# KiCad board AMC_FMC_Carrier-PcbDoc.kicad_pcb (continued)
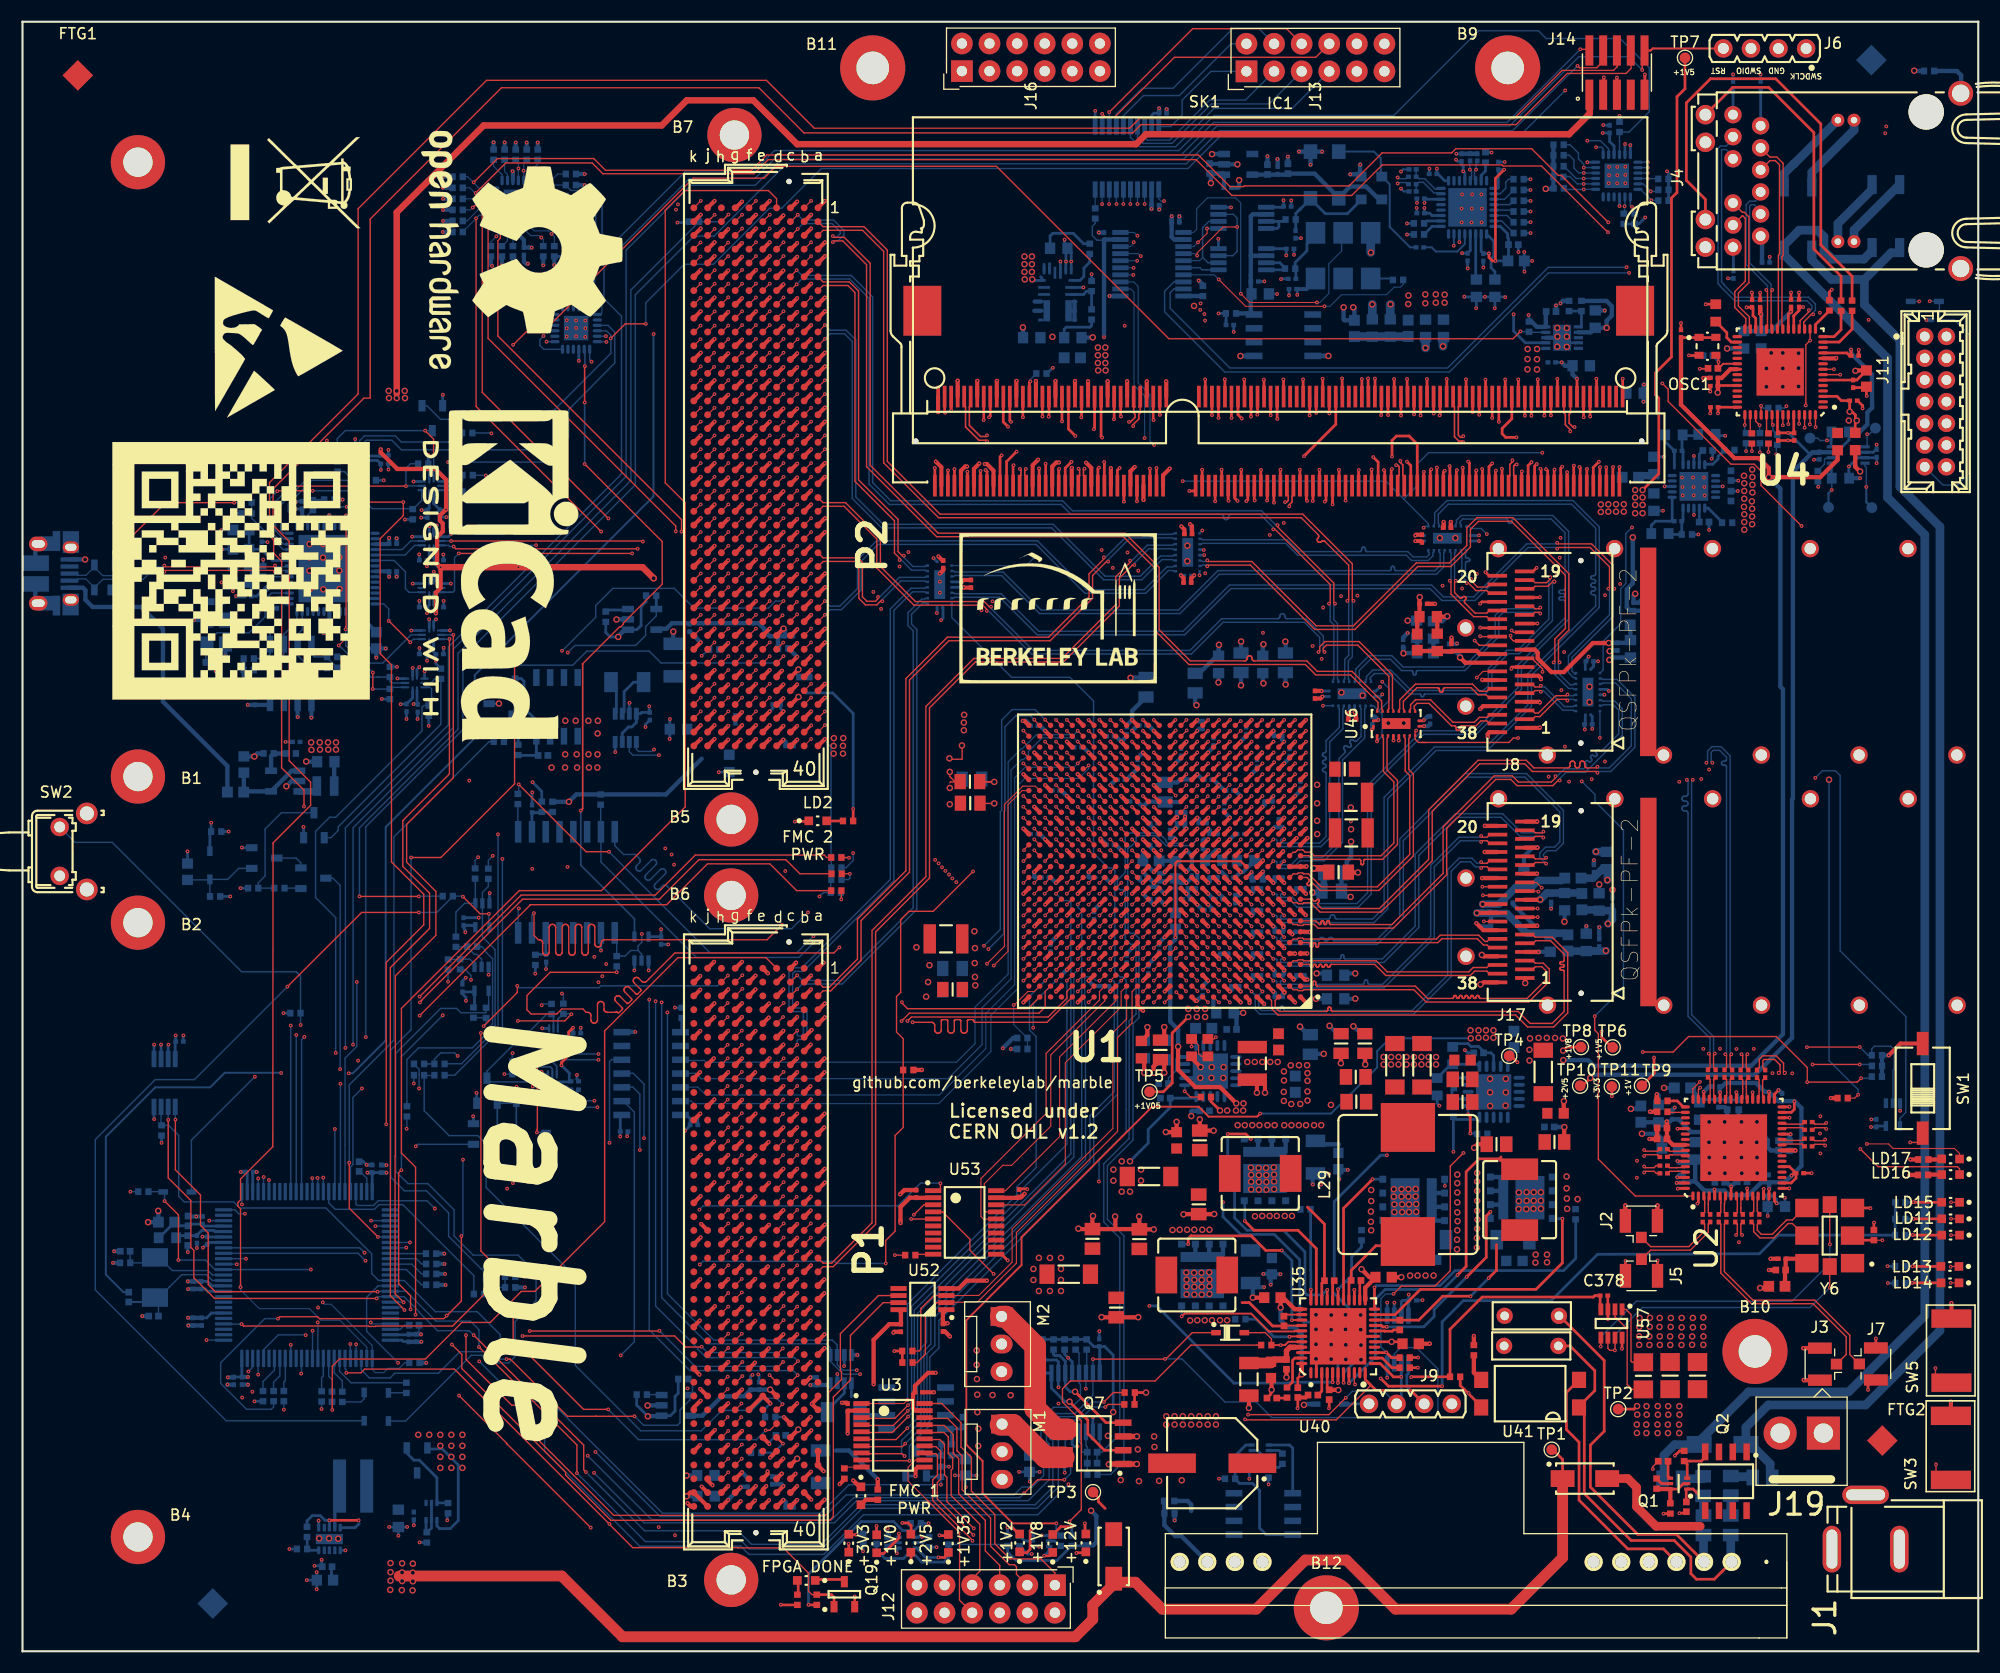
[diagram p0: board, top side]
## Routing (per net, layer and track width the routed paths; a pad name or vN(x,y) marks a point on that pad's centre or on a via; arc(x,y) is an arc through that point) (continued)
/MMC/I2C_PM_SDA: length 161.2
  Top w0.127: 124.08,24.52 124.08,24.47 120.91,21.3 112.58,21.3 v1(112.52,21.35) ; R13.2 99.9,22.72 v1(99.66,22.48) ; v1(32.67,33.1) 17.74,33.1 17.09,33.75 17.09,38.5 16.38,39.21 16.38,42 14.07,44.31 v1(14.07,48.94) ; v1(51.03,16.4) 51.03,18.99 v1(42.01,28.01)
  Top w0.254: J9.3 127.76,24.02 124.57,24.02 123.58,25.01 U35.11
  In2.Cu w0.127: v1(99.66,22.48) 111.39,22.48 v1(112.52,21.35)
  Bottom w0.127: v1(99.66,22.48) 98.5,22.48 97.29,21.28 95.5,21.28 95.34,21.11 U27.15 95.34,15.13 93.37,13.16 77.29,13.16 73.54,9.41 66.9,9.41 66.22,10.1 57.32,10.1 v1(51.03,16.4) ; v1(32.67,33.1) 32.71,33.14 U54.66 35.3,33.14 38.05,30.39 41.22,30.39 42.01,29.61 v1(42.01,28.01) ; v1(14.07,48.94) 14.05,48.95 U28.1
  Bottom w0.254: J9.3 127.41,24.37 127.41,25.43 127.55,25.58 U29.1
/MMC/ISP_RSTn: length 39.7
  In4.Cu w0.127: v1(21.38,52.89) 22.08,53.58 v1(29.23,53.58)
  Bottom w0.127: v1(29.23,53.58) 29.23,70.5 28.57,71.16 Q14.3 ; v1(21.38,52.89) 15.55,47.05 D3.1
/MMC/LED1: length 176.9
  Top w0.102: LD15.1 v1(177.49,41.33)
  In9.Cu w0.127: v1(177.49,41.33) 176.79,40.63 172.41,40.63 166.44,34.66 151.28,34.66 147.62,31 147.62,27.73 140.87,20.97 112.4,20.97 110.67,19.24 107.85,19.24 105.15,16.55 97.94,16.55 96.27,14.89 92.01,14.89 90.17,13.05 41.3,13.05 36.07,18.28 28.88,18.28 v1(21.69,25.47)
  Bottom w0.127: v1(21.69,25.47) 21.69,26.64 21.68,26.64 U54.97
/MMC/LED2: length 178.3
  Top w0.102: v1(177.49,39.82) 177.51,39.8 LD11.1
  In9.Cu w0.127: v1(20.79,25.75) 21.09,25.45 21.09,24.7 28.2,17.59 35.73,17.59 40.71,12.61 91.23,12.61 93.04,14.42 106.8,14.42 112.65,20.26 127.99,20.26 ; 127.99,20.26 141.63,20.26 149.26,27.89 149.26,28.43 149.25,28.44 149.25,29.2 149.29,29.24 149.29,31.58 151.89,34.18 166.98,34.18 171.98,39.18 174.47,39.18 175.1,39.82 v1(177.49,39.82) ; 127.99,20.26 127.89,20.26
  Bottom w0.127: v1(20.79,25.75) 21.13,26.09 21.13,26.91 U54.98
/MMC/LED3: length 185
  Top w0.102: LD12.1 v1(177.49,38.31)
  In9.Cu w0.127: v1(177.49,38.31) 177.24,38.31 176.57,37.63 171.96,37.63 167.29,32.97 152.1,32.97 151.16,32.03 151.16,27.56 143.23,19.62 112.82,19.62 106.61,13.41 93.43,13.41 92.12,12.11 92.07,12.15 40.21,12.15 35.46,16.91 25.6,16.91 16.94,25.57 v1(16.94,28.64)
  Bottom w0.127: v1(16.94,28.64) 18.5,28.64 U54.1
/MMC/LPC_ISPn: length 40
  Bottom w0.127: v1(28.83,55.08) 28.83,67.53 26.97,69.38 26.97,75.48 28.27,76.77 28.83,76.77 36.76,84.71 36.76,86.89 36.94,87.06 37.37,87.06 37.37,87.48 37.65,87.76 37.65,88.58 37.5,88.73 U24.5
/MMC/MMC_CONS_PROG_RxD: length 68.7
  Top w0.127: v1(39.29,93.18) 39.29,80.76 35,76.47 35,72.25 37.46,69.79 37.46,66.54 33.86,62.93 33.86,32.73 35.15,31.44 v1(35.15,31.41)
  Bottom w0.127: v1(35.15,31.41) 34.92,31.64 U54.69 ; U25.5 39.27,93.16 v1(39.29,93.18)
/MMC/MMC_CONS_PROG_TxD: length 68.5
  Top w0.127: v1(35.07,32.12) 34.29,32.91 34.29,45.56 34.31,45.58 34.31,62.17 38.05,65.9 38.05,69.94 35.35,72.63 35.35,76.11 39.65,80.41 v1(39.65,93.56)
  Bottom w0.127: v1(35.07,32.12) 35.06,32.14 U54.68 ; U25.4 v1(39.65,93.56)
/MMC/OVER_TEMP: length 172.6
  Top w0.127: D2.1 107.66,29.33 105.24,26.91 v1(105.15,26.91) 105.13,26.89 v1(98.52,26.89)
  In2.Cu w0.127: v1(52.6,16.42) 52.17,16.86 49.3,16.86 43.96,22.19 v1(43.96,27.83)
  Bottom w0.127: U28.3 12.75,48.46 R178.2 ; v1(105.15,26.91) 106.7,26.91 110.66,22.95 113.54,22.95 114.98,21.5 129.87,21.5 130.27,21.91 130.27,25.98 128.29,27.96 126.84,27.96 126.25,27.37 U29.3 ; v1(52.6,16.42) 57.2,11.83 74.72,11.83 76.76,13.86 92.55,13.86 94.48,15.79 94.48,19.09 94.24,19.33 94.24,21.09 95.04,21.88 96.84,21.88 98.51,23.56 U27.7 98.52,25.61 v1(98.52,26.89) ; 12.76,48.45 R178.2 ; R178.2 13.45,48.42 14.37,47.49 14.37,41.88 14.88,41.37 19.43,41.37 20,40.8 20.38,40.8 20.39,40.81 27.91,40.81 32.13,36.59 32.13,34.77 32.77,34.14 U54.64 33.87,34.13 35.13,34.13 38,31.26 41.86,31.26 43.96,29.15 v1(43.96,27.83)
/MMC/Pmod3_0: length 172
  In2.Cu w0.127: J16.1 86.46,142.33 84.43,140.31 73.29,140.31 69.06,144.53 56.42,144.53 42.29,130.39 42.29,108.4 42.16,108.27 42.16,85.87 35.46,79.16 ; v1(26.06,29.1) 27.66,29.1 29.18,30.62 29.18,35.14 37.79,43.75 37.79,54.3 35.42,56.67 35.42,79.13 35.46,79.16 ; 35.46,79.16 35.4,79.11
  Bottom w0.127: v1(26.06,29.1) 26.03,29.12 23.55,29.12 22.18,27.76 U54.96
/MMC/Pmod3_1: length 170.7
  In2.Cu w0.127: v1(31.48,36.69) 31.75,36.69 38.27,43.21 38.27,55.09 36.13,57.23 36.13,78.95 42.9,85.72 42.9,102.81 43.66,103.57 43.66,128.62 43.95,128.91 43.95,131.42 56.3,143.77 68.58,143.77 72.62,139.73 85.78,139.73 89,142.95 J16.3
  Bottom w0.127: U54.18 31.03,37.14 v1(31.48,36.69)
/MMC/Pmod3_2: length 172.9
  In2.Cu w0.127: v1(31.56,35.95) 38.74,43.13 38.74,55.5 36.95,57.29 36.95,78.81 38.45,80.31 ; 38.45,80.31 38.4,80.25 ; 38.45,80.31 43.38,85.24 43.38,92.04 43.46,92.12 43.46,102 44.64,103.18 44.64,130.46 46.76,132.58 46.76,132.65 57.28,143.18 68.16,143.18 72.27,139.07 87.77,139.07 91.54,142.84 J16.5
  Bottom w0.127: U54.17 30.88,36.64 v1(31.56,35.95)
/MMC/Pmod3_3: length 162.1
  In2.Cu w0.127: J16.7 94.08,143.03 89.54,138.49 71.87,138.49 67.77,142.59 57.71,142.59 45.89,130.78 45.89,102.63 45.12,101.86 45.12,84.94 45.02,84.83 45.02,84.56 38.78,78.33 38.78,59.43 39.67,58.54 39.67,45.57 39.66,45.56 39.66,42.47 v1(37.94,40.76)
  Bottom w0.127: 30.68,42.31 30.68,41.16 30.81,41.04 32.31,41.04 32.74,41.47 37.23,41.47 v1(37.94,40.76)
/MMC/Pmod3_4: length 157
  In2.Cu w0.127: J16.2 84.94,148 84.12,147.17 84.12,144.24 81.17,141.3 74.5,141.3 69.99,145.8 55.71,145.8 46.45,136.54 46.45,136.11 42.65,132.31 42.65,132.23 40.92,130.5 40.92,86.3 34.21,79.59 34.21,55.97 36.85,53.33 36.85,44.42 v1(32.08,39.64)
  Bottom w0.127: v1(32.08,39.64) 32.08,39.64 U54.53
/MMC/Pmod3_5: length 158.1
  In2.Cu w0.127: J16.4 87.75,146.75 85.17,146.75 84.86,146.4 84.67,146.2 84.67,143.88 81.67,140.88 73.77,140.88 69.47,145.18 56.34,145.18 41.53,130.37 41.53,92.01 ; 41.53,92.01 41.53,86.2 35,79.67 35,56 37.34,53.66 37.34,43.98 v1(32.48,39.13) ; 41.53,92.01 41.53,91.94
  Bottom w0.127: v1(32.48,39.13) 32.49,39.14 U54.54
/MMC/Pmod3_6: length 175.3
  In2.Cu w0.127: 36.04,82.36 35.91,82.24 ; 36.04,82.36 32.92,79.24 32.92,41.85 28.55,37.48 28.55,30.88 27.18,29.51 v1(26.69,29.51) ; 36.04,82.36 39.82,86.15 39.82,91.25 40.5,91.92 40.5,101.22 40.48,101.23 40.48,131.37 42.29,133.17 42.29,133.92 46.51,138.14 47.19,138.14 55.44,146.39 70.42,146.39 74.92,141.9 80.55,141.9 83.47,144.82 83.47,147.57 85.06,149.16 90.37,149.16 J16.6
  Bottom w0.127: v1(26.69,29.51) 26.69,26.97 U54.87
/MMC/Pmod3_7: length 178.4
  In2.Cu w0.127: v1(27.18,30.28) 28.09,31.19 28.09,39.39 32.1,43.4 32.1,79.21 39.42,86.53 39.42,91.58 39.99,92.15 39.99,94.18 39.81,94.36 39.81,101.33 40.01,101.53 40.03,131.23 40.03,133.06 41.54,134.57 41.59,134.57 54.02,147 54.13,147.11 71,147.11 75.69,142.41 80.24,142.41 82.86,145.03 82.86,147.59 84.76,149.49 92.58,149.49 J16.8
  Bottom w0.127: U54.86 27.18,30.27 v1(27.18,30.28)
/MMC/VREF: length 6.9
  Bottom w0.254: U54.22 16.76,39.14 C199.1 15.39,39.32 C311.1 14.34,39.16 L9.2 12.57,38.07 R3.1
/MMC_TCK: length 239.3
  Top w0.127: v1(143.11,145.94) 143.29,145.76 144.88,145.76 145.51,146.39 145.51,147.46
  In2.Cu w0.127: v1(31.59,56.53) 31.59,45.61 31.21,45.24 31.21,43.27 27.63,39.69 v1(27.63,32.12)
  In9.Cu w0.2: v1(143.11,145.94) 146.96,145.94 148.51,144.39 161.01,144.39 J6.1
  Bottom w0.102: v1(27.63,32.12) 27.81,31.95 28.39,31.95 32.18,28.15 U54.76 32.18,25.94 32.48,25.64 33.25,25.64 33.65,26.05 34.67,26.05 35.18,26.56 R137.1
  Bottom w0.127: 27.62,32.14 v1(27.63,32.12) ; 36.15,80.45 36.09,80.39 ; 36.15,80.45 40.54,84.84 40.54,91.51 56.4,107.37 56.4,124.87 61.8,130.27 63.65,130.27 70.3,136.92 107.11,136.92 110.16,139.97 137.14,139.97 v1(143.11,145.94) ; 36.15,80.45 31.59,75.9 v1(31.59,56.53)
/MMC_TDI: length 248.7
  Top w0.127: v1(20.06,33.52) 20.06,40.74 19.82,40.98 19.82,41.3 20.06,41.54 20.06,43.48 23.03,46.45 23.06,74.31 23.06,74.42 26.51,77.87 26.51,80 24.54,81.97 24.54,102.16 23.06,103.65 23.06,107 31.42,115.36 32,115.36 32,131.84 44.08,143.92 67.77,143.92 71.92,139.77 102.18,139.77 102.94,140.53 137.46,140.53 142.17,145.24 147.58,145.24 148.05,145.7 148.05,147.46
  Bottom w0.102: U54.77 31.68,27.99 29.21,30.47 27.47,30.47 26.4,31.54 21.8,31.54 20.06,33.27
  Bottom w0.127: v1(20.06,33.52) 20.06,33.27
/MMC_TDO: length 240.4
  Top w0.127: 146.78,147.46 146.78,145.87 146.43,145.52 141.7,145.52 137.27,141.09 102.79,141.09 101.9,140.2 72.86,140.2 68.46,144.61 42.71,144.61 30.88,132.78 30.88,115.74 22.73,107.58 22.73,102.68 23.11,102.3 23.11,101.07 23.85,100.34 23.85,81.32 25.91,79.26 v1(25.91,77.77)
  In2.Cu w0.127: v1(25.91,77.77) 26.41,77.26 26.41,51.22 25.65,50.46 v1(25.65,25.57)
  Bottom w0.127: U54.89 25.68,25.6 v1(25.65,25.57)
/MMC_TMS: length 232.4
  Top w0.127: 144.24,147.46 143.38,147.46 v1(143.37,147.47)
  In2.Cu w0.127: v1(30.88,54.37) 30.88,43.66 27.2,39.98 v1(27.2,31.64)
  In4.Cu w0.102: v1(32.05,30.27) 30.68,31.64 v1(27.2,31.64)
  GND5.Cu w0.127: v1(29.72,55.54) v1(30.88,54.37)
  In9.Cu w0.2: J6.3 157.58,146.04 150.8,146.04 149.37,147.47 v1(143.37,147.47)
  Bottom w0.102: U54.72 32.18,30.14 v1(32.05,30.27)
  Bottom w0.127: v1(143.37,147.47) 136.64,140.73 109.62,140.73 106.65,137.76 69.59,137.76 67.41,135.58 61.39,135.58 53.51,127.7 53.51,124.5 55.13,122.89 55.13,108.37 39.2,92.45 39.2,85.28 29.72,75.8 v1(29.72,55.54) ; 27.2,31.64 v1(27.2,31.64)
/MUX1_MMC: length 330.8
  Top w0.127: 164.26,52.39 v1(164.26,52.39) ; v1(164.26,52.39) 168.86,52.39 v1(169.22,52.75) ; v1(164.26,52.39) 164.26,53.74 161.41,56.58 153.34,56.58 151.91,55.16 v1(149.12,55.16)
  In2.Cu w0.127: v1(99.06,43.25) 99.06,43.91 105.69,50.54 107.65,50.54 108.05,50.95 108.05,50.94 109.02,51.91 110.96,51.91 111.29,52.24 111.29,54.92 113.21,56.84 130.84,56.84 131.97,57.96 138.07,57.96 138.34,57.69 146.59,57.69 v1(149.12,55.16) ; 169.34,52.75 169.34,52.75
  In4.Cu w0.127: v1(44.6,42.59) 27.63,42.59 v1(26.67,43.55) ; v1(164.26,52.39) 164.26,41.01 156.87,33.62 135.43,33.62 135.13,33.32 125.5,33.32 124.96,32.78 115.31,32.78 112.14,29.61 101.7,29.61 99.72,27.63 94.31,27.63 91.06,24.37 87.09,24.37 79.98,17.26 57.2,17.26 56.89,17.57 49.48,17.57 46.02,21.02 v1(46,21.02)
  In7.Cu w0.127: v1(44.6,42.59) 44.6,27.34 45.08,26.86 45.08,21.94 v1(46,21.02)
  Bottom w0.127: v1(169.22,52.75) 170.04,52.75 R297.1 ; 26.68,42.31 26.68,43.53 v1(26.67,43.55) ; 85.53,96.44 85.53,95.16 91.03,89.65 96.39,89.65 98.57,87.47 98.57,73.47 99.94,72.1 100.3,72.1 100.56,71.84 100.54,71.81 100.54,62.55 101.01,62.07 101.28,62.07 101.57,61.78 101.57,47.82 99.08,45.33 99.08,43.27 v1(99.06,43.25)
/MUX2_MMC: length 321.1
  Top w0.127: v1(169.09,54.02) 164.74,54.02 v1(164.74,54.02) ; v1(163.74,103.58) 160,107.32 160,108.65 159.38,109.27 157.24,109.27 151.46,115.05 151.46,116.17 v1(150.92,116.7)
  In4.Cu w0.127: v1(169.09,54.02) 169.09,54.27 169.75,54.92 169.75,56.35 166.95,59.15 166.95,96.71 163.55,100.12 163.55,103.39 v1(163.74,103.58) ; v1(164.74,54.02) 163.9,53.18 163.9,41.27 156.82,34.18 135.38,34.18 134.9,33.7 124.84,33.7 124.71,33.83 115.72,33.83 113.33,31.44 102.21,31.44 99.37,28.59 93.32,28.59 91.56,26.83 87.01,26.83 86.26,26.08 86.26,24.62 80.19,18.56 60.73,18.56 60.4,18.89 49.55,18.89 46.89,21.56 v1(46.17,21.56) ; v1(45.13,43.09) 27.63,43.09 v1(27.15,43.58) ; v1(150.92,116.7) 150.91,116.72 150.43,116.72 150.2,116.94 149.06,116.94 148.83,116.72 112.87,116.7 112.49,116.7 110.75,114.96 110.75,112.79 109.14,111.18 109.14,104.38 109.8,103.72 109.8,99.58 109.09,98.88 108.5,98.88 v1(108.33,99.05)
  In7.Cu w0.127: v1(45.13,43.09) 45.5,42.73 45.5,22.23 v1(46.17,21.56)
  Bottom w0.127: v1(108.33,99.05) 108.33,99.05 108.33,99.4 ; 27.18,42.31 27.18,43.54 v1(27.15,43.58) ; v1(169.09,54.02) 170.07,54.02 R298.1
/MUX3_MMC: length 282.3
  Top w0.127: v1(169.09,55.62) 164.25,55.62 v1(164.23,55.6) ; 128.8,83.66 128.47,83.66 128.17,83.96 128.17,84.65 v1(128.27,84.75) ; 128.8,83.66 136.8,83.66 137.21,84.06 v1(137.64,84.06) ; 128.8,83.66 129.18,83.66
  In4.Cu w0.127: v1(27.68,43.6) 45.67,43.6 v1(45.69,43.58) ; 60.64,19.64 60.71,19.64 ; 60.71,19.64 80.04,19.64 83.34,22.94 83.34,23.98 88.83,29.48 93.47,29.48 93.8,29.81 99.72,29.81 102.04,32.13 110.01,32.13 112.1,34.22 125,34.22 125.25,33.97 134.05,33.97 134.78,34.7 156.65,34.7 163.51,41.56 163.51,54.88 v1(164.23,55.6) ; 60.71,19.64 49.66,19.64 47.16,22.14 v1(46.63,22.14) ; v1(137.64,84.06) 140.61,84.06 142.05,85.5 144.59,85.5 145.17,84.92 v1(145.17,84.08) 145.8,84.08 164.84,65.04 164.84,59.87 v1(169.09,55.62)
  In7.Cu w0.127: v1(46.63,22.14) 46.63,28.92 45.89,29.65 45.89,43.13 45.69,43.33 v1(45.69,43.58) ; v1(134.77,102.84) 134.77,101.76 134.62,101.61 134.62,100.63 135.17,100.07 135.17,98.62 131.58,95.03 131.58,94.31 130.7,93.43 130.7,88.93 128.27,86.5 v1(128.27,84.75)
  Bottom w0.102: R299.1 170.2,54.88
  Bottom w0.127: 27.68,42.31 27.68,43.6 v1(27.68,43.6) ; U50.9 133.13,103.55 133.33,103.35 134.25,103.35 v1(134.77,102.84) ; v1(169.09,55.62) 169.85,54.86 R299.1 170.2,55.45 170.44,55.69 171.95,55.69 172.25,55.39 172.25,53.57 172.15,53.47 U56.2 ; v1(145.17,84.08) 145.18,84.09 U49.9
/PMOD/Pmod1_0: length 49.4
  Top w0.102: U3.1 81.13,22.81 v1(81.45,23.13)
  Top w0.127: U1.C24 94.62,62.23 v1(94.12,61.73)
  Bottom w0.127: v1(94.12,61.73) 92.68,60.28 92.68,57.2 93.29,56.58 93.29,44.53 91.51,42.75 91.51,42.02 81.45,31.96 v1(81.45,23.13)
/PMOD/Pmod1_1: length 50.5
  Top w0.11: U1.C22 v1(96.12,61.73)
  Top w0.127: 77.4,21.44 80.28,21.44 v1(81.5,22.65)
  Bottom w0.11: v1(96.12,61.73) 96.12,58.86
  Bottom w0.127: 96.12,58.96 96.12,46.67 91.87,42.42 91.87,41.79 81.83,31.74 81.83,22.98 v1(81.5,22.65)
/PMOD/Pmod1_2: length 60
  Top w0.11: v1(95.12,69.73) 95.61,70.21 95.62,70.21
  Top w0.127: 77.4,20.79 80.14,20.79 v1(81.49,22.13)
  Bottom w0.127: v1(81.49,22.13) 82.07,22.72 82.07,31.4 96.49,45.81 96.49,68.9 96.29,69.1 95.75,69.1 v1(95.12,69.73)
/PMOD/Pmod1_3: length 53
  Top w0.11: U1.D21 v1(97.12,62.73)
  Top w0.127: 77.4,20.14 80.04,20.14 v1(81.51,21.61)
  Bottom w0.11: v1(97.12,62.73) 96.76,62.37 96.76,59.18
  Bottom w0.127: 96.76,59.18 96.76,45.5 82.37,31.11 82.37,22.47 v1(81.51,21.61)
/PMOD/Pmod1_4: length 60.2
  Top w0.11: v1(97.12,68.75) 97.61,69.25 97.61,69.25
  Top w0.127: v1(81.44,20.54) 80.39,19.49 77.4,19.49
  Bottom w0.127: v1(97.12,68.75) 97.12,68.51 97.49,68.14 97.49,45.53 83.21,31.25 83.21,28.42 82.69,27.9 82.69,21.79 v1(81.44,20.54)
/PMOD/Pmod1_5: length 55.5
  Top w0.11: v1(100.12,61.73) 100.12,61.73 U1.C18
  Top w0.127: v1(81.24,19.11) 80.97,18.84 77.4,18.84
  Bottom w0.127: v1(100.12,61.73) 100.37,61.73 100.48,61.62 100.48,51.53 98.25,49.3 98.25,45.03 83.96,30.74 83.96,28.15 83.24,27.43 83.24,21.5 83.03,21.29 83.03,20.9 v1(81.24,19.11)
/PMOD/Pmod1_6: length 57.3
  Top w0.11: U1.C19 v1(99.12,61.73)
  Top w0.127: v1(81.19,17.96) 80.96,18.19 77.4,18.19
  Bottom w0.11: v1(99.12,61.73) 98.79,61.73 98.43,62.08 97.91,62.08 97.77,61.93 97.77,59.57 97.83,59.5 97.83,53.74
  Bottom w0.127: v1(81.19,17.96) 80.9,18.25 80.9,19.4 82.74,21.24 82.74,21.37 82.97,21.59 82.97,27.65 83.59,28.27 83.59,31.03 97.83,45.27 97.83,53.74
/PMOD/Pmod1_7: length 57.2
  Top w0.11: U1.C17 v1(101.12,61.73)
  Top w0.127: 77.4,17.54 81.62,17.54 v1(81.62,17.54)
  Bottom w0.127: v1(81.62,17.54) 81.62,18.9 83.34,20.62 83.34,21.02 83.5,21.18 83.5,27.07 84.34,27.92 84.34,30.45 98.58,44.69 98.58,49.08 100.77,51.26 100.77,61.38 v1(101.12,61.73)
/PMOD/Pmod1_C_0: length 24.3
  Top w0.127: U3.20 84.6,22.81 86.37,21.03 86.37,18.8 87.33,17.85 87.33,14.75 89.49,12.59 89.49,9.89 90.88,8.51 93.73,8.51 95.02,7.21 J12.1
/PMOD/Pmod1_C_1: length 20.6
  Top w0.127: J12.3 91.48,7.09 91.48,7.78 91.3,7.97 90.81,7.97 89.1,9.68 89.1,12.27 86.47,14.89 86.47,17.98 86,18.46 86,20.58 85.14,21.44 83.2,21.44
/PMOD/Pmod1_C_2: length 18.4
  Top w0.127: J12.5 89.94,7.91 88.61,9.24 88.61,12.05 86.16,14.5 86.16,17.72 85.66,18.23 85.66,19.95 84.83,20.79 83.2,20.79
/PMOD/Pmod1_C_3: length 17.4
  Top w0.127: 83.2,20.14 84.81,20.14 85.2,19.74 85.2,18.21 85.61,17.81 85.61,16.82 85.47,16.69 85.47,14.33 88.1,11.7 88.1,7.37 87.4,6.67 J12.7
/PMOD/Pmod1_C_4: length 22.7
  Top w0.127: v1(87.55,11.31) 85.07,13.79 85.07,16.02 84.86,16.24 84.86,19.06 84.43,19.49 83.2,19.49
  In9.Cu w0.127: J12.2 93.66,4.91 93.66,7.11 89.46,11.3 87.56,11.3 v1(87.55,11.31)
/PMOD/Pmod1_C_5: length 20.7
  Top w0.127: 83.2,18.84 84.07,18.84 84.51,18.41 84.51,15.85 84.19,15.53 84.19,14.03 v1(87.51,10.7)
  In9.Cu w0.127: v1(87.51,10.7) 87.52,10.7 88.89,10.7 91.25,8.34 91.25,4.77 J12.4
/PMOD/Pmod1_C_6: length 18.7
  Top w0.127: 83.77,14.62 83.77,15.78 84.21,16.21 84.21,18.06 84.07,18.19 83.2,18.19 ; 83.77,14.62 83.77,13.87 87.43,10.22 v1(87.43,10.17) ; 83.77,14.62 83.77,14.51
  In9.Cu w0.127: v1(87.43,10.17) 87.43,10.18 87.98,10.18 88.68,9.48 88.68,4.81 J12.6
/PMOD/Pmod1_C_7: length 17.6
  Top w0.102: 83.2,13.98 81.51,15.67 81.51,16.94 82.03,17.47 82.03,17.47 82.17,17.61 U3.12
  Top w0.127: 83.2,13.98 86.25,10.93 86.25,6.66 86.23,6.65 86.23,4.71 J12.8
/PMOD/Pmod2_0: length 56
  Top w0.102: v1(112.12,84.72) 111.63,84.23 U1.AE7
  In7.Cu w0.102: v1(114.17,93.75) 114.17,93.74 113.73,93.3 113.73,88.45 112.7,87.42 112.7,85.3 v1(112.12,84.72)
  In9.Cu w0.102: v1(114.17,93.75) 114.17,107.99 114.31,108.14 114.31,116.51 112.55,118.27 112.55,126.51 105.56,133.49 v1(105.06,133.49)
  Bottom w0.102: U12.1 104.57,133.7 104.78,133.49 v1(105.06,133.49)
  Bottom w0.4: 104.6,134.4 104.57,134.43
/PMOD/Pmod2_1: length 64.2
  Top w0.102: v1(112.13,77.75) 111.62,77.24 U1.V7
  In9.Cu w0.102: v1(103.27,133.21) 103.52,133.21 103.57,133.16 105.18,133.16 106.09,132.25 106.09,131.99 106.32,131.77 106.65,131.77 111.76,126.66 111.76,124.84 111.88,124.71 111.88,120.31 111.6,120.03 111.6,118.61 113.98,116.24 113.98,112.68 113.66,112.36 113.66,108.58 113.74,108.5 113.74,103.22 113.55,103.03 113.55,88.64 112.77,87.86 112.77,78.38 v1(112.13,77.75)
  Bottom w0.102: v1(103.27,133.21) 103.27,133.22 103.27,134.43
/PMOD/Pmod2_2: length 61.3
  Top w0.102: U1.Y7 111.62,79.23 v1(112.14,79.75)
  In9.Cu w0.102: v1(112.14,79.75) 112.14,79.99 112.46,80.32 112.46,88.15 113,88.69 113,113.18 112.7,113.48 112.7,116.32 111.3,117.72 111.3,120.49 111.22,120.56 111.22,121.21 111.15,121.29 111.15,126.25 109.47,127.93 109.47,128.39 108.61,129.25 108.15,129.25 105.07,132.32 103.88,132.32 103.32,132.89 102.94,132.89 v1(102.61,133.21)
  Bottom w0.102: v1(102.61,133.21) 102.62,133.22 102.62,134.43
/PMOD/Pmod2_3: length 55.5
  Top w0.102: U1.AF7 111.68,85.23 112.07,85.63 v1(112.12,85.63)
  In9.Cu w0.102: v1(101.97,133.21) 103.3,131.88 103.4,131.84 104.98,131.84 107.92,128.9 108.18,128.9 109.16,127.92 109.16,127.7 110.84,126.02 110.84,117.64 111.83,116.65 111.83,113.37 112.49,112.72 112.49,108.22 112.29,108.02 112.29,93.84 111.6,93.16 111.6,88.74 112.12,88.22 v1(112.12,85.63)
  Bottom w0.102: 101.97,134.43 v1(101.97,133.21)
/PMOD/Pmod2_4: length 63.7
  Top w0.102: U1.V8 110.62,77.24 v1(111.13,77.75)
  In9.Cu w0.102: v1(111.13,77.75) 111.74,78.36 ; 111.74,78.36 111.78,78.4 ; 111.74,78.36 111.74,86.46 ; 111.74,86.46 111.74,88.14 111.21,88.67 111.21,93.2 111.94,93.92 111.94,105.17 111.49,105.61 111.49,110.65 110.89,111.25 110.89,116.07 110.18,116.78 110.18,122.11 110.41,122.34 110.41,125.5 104.33,131.58 102.96,131.58 v1(101.32,133.21) ; 111.74,86.46 111.74,86.54
  Bottom w0.102: 101.32,134.43 101.32,133.22 v1(101.32,133.21)
/PMOD/Pmod2_5: length 61
  Top w0.11: 110.59,80.23 v1(111.09,80.73)
  In9.Cu w0.102: v1(111.09,80.73) 111.47,81.12 111.47,88.06 110.91,88.62 110.91,93.45 111.58,94.12 111.58,104.84 110.66,105.75 110.66,106.11 111.25,106.7 111.25,110.3 110.56,110.99 110.56,115.71 109.8,116.47 109.8,120.01 109.75,120.06 109.75,125.72 108.61,126.86 108.38,126.86 103.96,131.28 102.61,131.28 v1(100.68,133.21)
  Bottom w0.102: 100.67,134.43 100.67,133.23 v1(100.68,133.21)
/PMOD/Pmod2_6: length 62.3
  Top w0.102: v1(111.1,79.75) 110.62,79.26 U1.Y8
  In9.Cu w0.102: v1(111.1,79.75) 111.1,79.99 110.76,80.34 110.76,88.37 110.56,88.56 110.56,89.37 110.57,89.38 110.57,93.57 111.27,94.28 111.27,104.64 110.41,105.5 110.41,106.37 110.97,106.92 110.97,110.05 109.14,111.88 109.14,115.49 109.45,115.79 109.45,125.47 108.41,126.51 108.15,126.51 103.71,130.95 102.27,130.95 v1(100.01,133.21)
  Bottom w0.102: 100.02,134.43 100.02,133.22 v1(100.01,133.21)
/PMOD/Pmod2_7: length 63.9
  Top w0.102: U1.W9 109.62,78.23 v1(110.08,78.69)
  In9.Cu w0.102: v1(99.36,133.21) 99.36,133.2 101.91,130.65 103.25,130.65 109.19,124.7 109.19,116.12 108.79,115.71 108.79,111.75 110.72,109.82 110.72,107.53 110.09,106.91 110.09,105.19 110.94,104.33 110.94,94.35 109.62,93.02 109.62,89.44 ; 109.62,89.44 109.62,89.52 ; 109.62,89.44 109.62,88.92 110.45,88.09 110.45,79.06 v1(110.08,78.69)
  Bottom w0.102: v1(99.36,133.21) 99.37,133.22 99.37,134.43
/PMOD/Pmod2_C_0: length 11
  Bottom w0.127: U12.20 105.68,140.36 106.73,141.4 106.73,142.79 109.37,145.43 J13.1
/PMOD/Pmod2_C_1: length 15.5
  Bottom w0.127: 103.27,140.23 103.27,139.34 103.5,139.11 105.59,139.11 109.27,142.79 112.54,142.79 J13.3
/PMOD/Pmod2_C_2: length 19
  Bottom w0.127: J13.5 114.73,142.43 109.42,142.43 105.79,138.8 103.15,138.8 102.62,139.33 102.62,140.23
/PMOD/Pmod2_C_3: length 22.4
  Bottom w0.127: J13.7 116.86,142.03 109.66,142.03 106.13,138.5 102.84,138.5 101.97,139.37 101.97,140.23
/PMOD/Pmod2_C_4: length 15.2
  Bottom w0.127: 101.32,140.23 101.32,141.34 103.18,143.2 106.46,143.2 111.23,147.97 J13.2
/PMOD/Pmod2_C_5: length 19.6
  Bottom w0.127: 100.67,140.23 100.67,141.5 103.04,143.88 105.9,143.88 111.35,149.32 113.83,149.32 J13.4
/PMOD/Pmod2_C_6: length 22.9
  Top w0.127: v1(100.02,141.68) 107.7,149.36 116.34,149.36 J13.6
  Bottom w0.127: v1(100.02,141.68) 100.02,140.24 100.02,140.23
/PMOD/Pmod2_C_7: length 25.1
  Top w0.127: J13.8 119.02,146.72 106.02,146.72 100.52,141.23 99.66,141.23 v1(99.37,141.52)
  Bottom w0.127: 99.37,140.23 99.37,140.23 v1(99.37,141.52)
/Power/Power_SW/EN_1V2: length 26.4
  Top w0.127: v1(132.62,45.87) 131.4,44.66 131.4,35.03 129.98,33.61 126.9,33.61 v1(126.18,32.9)
  Top w0.254: U35.14 125.54,27.49 126,27.03 R167.2
  Bottom w0.127: v1(125.51,27.52) 125.02,28.01 125.02,32.45 125.45,32.88 126.17,32.88 v1(126.18,32.9)
/Power/Power_SW/EN_1V8: length 2.7
  Top w0.254: U35.13 125.14,26.99 126.03,26.11 R157.2
/Power/Power_SW/PSS_XRP_BST1: length 1.7
  Top w0.178: C147.1 116.25,30.99 U35.35
/Power/Power_SW/PSS_XRP_BST2: length 1.8
  Top w0.254: U35.29 120.58,33.96 C148.1
/Power/Power_SW/PSS_XRP_BST3: length 1.8
  Top w0.254: U35.24 123.08,34.03 C149.1
/Power/Power_SW/PSS_XRP_BST4: length 2.4
  Top w0.254: U35.18 125.34,29.49 125.37,29.46 126.07,29.46 126.19,29.58 C150.1
/Power/Power_SW/PSS_XRP_GH1: length 18.5
  Top w0.178: U35.36 116.83,30.49 v1(116.83,30.48)
  Top w0.254: 113.08,38.24 107.54,38.24 107.29,37.99 v1(107.29,37.48) ; 113.08,38.24 114.42,36.9 v1(115.9,36.9) ; 113.08,38.24 113.36,37.96
  Bottom w0.254: Q10.1 107.29,37.48 v1(107.29,37.48) ; v1(115.9,36.9) 116.83,35.97 v1(116.83,30.48)
/Power/Power_SW/PSS_XRP_GH2: length 25.7
  Top w0.254: v1(113.05,47.16) 112.6,47.62 v1(110.92,47.62) ; v1(120.09,33.27) 120.08,33.26 U35.30
  Bottom w0.254: v1(120.09,33.27) 119.63,32.81 118.21,32.81 118.03,32.99 118.03,36.76 116.04,38.75 112.7,38.75 111.55,39.89 111.55,43.91 110.92,44.54 v1(110.92,47.62) ; v1(113.05,47.16) 112.44,47.16 Q11.1
/Power/Power_SW/PSS_XRP_GH3: length 14.9
  Top w0.254: U35.25 122.58,33.27 v1(122.57,33.27)
  In2.Cu w0.254: v1(122.57,33.27) 123.12,33.27 130.91,41.06 v1(130.91,42.84)
  Bottom w0.254: v1(130.91,42.84) 130.91,43.42 Q12.1
/Power/Power_SW/PSS_XRP_GH4: length 18.3
  Top w0.254: v1(135.1,40.45) 134.72,40.07 134.72,36.26 v1(132.92,34.46) ; v1(125.56,29.87) 125.55,29.86 125.19,29.86 125.07,29.99 U35.19
  Bottom w0.254: Q13.1 v1(135.1,40.45) ; v1(125.56,29.87) 128.97,29.87 129.92,30.82 129.92,31.46 v1(132.92,34.46)
/Power/Power_SW/PSS_XRP_GL1: length 12.8
  Top w0.178: v1(106.69,30.83) 106.94,31.08 113.08,31.08 114.72,29.44 117.06,29.44 117.1,29.49 U35.38
  Bottom w0.178: v1(106.69,30.83) 106.69,31.78 Q10.8
/Power/Power_SW/PSS_XRP_GL2: length 14.2
  Top w0.254: v1(112.49,39.6) 113.34,38.75 117.39,38.75 119.08,37.06 U35.32
  Bottom w0.254: v1(112.49,39.6) 112.49,41.42 Q11.8
/Power/Power_SW/PSS_XRP_GL3: length 13.2
  Top w0.254: v1(124.25,43.45) 121.58,40.77 U35.27
  Bottom w0.254: Q12.8 v1(124.25,43.45)
/Power/Power_SW/PSS_XRP_GL4: length 24.3
  Top w0.254: U35.21 126.33,30.99 128.66,33.32 139.29,33.32 141.72,35.75 v1(141.72,39.82)
  Bottom w0.254: Q13.8 140.81,39.82 v1(141.72,39.82)
/Power/Power_SW/PSS_XRP_LX1: length 6.4
  Top w0.178: U35.37 116.15,29.99 C147.2
  Top w0.254: 112.24,32.1 112.9,32.1 115.06,29.94 C147.2
  vias: v2(107.11,34.86) v2(107.13,34.2) v2(107.13,33.57) v2(107.13,32.86) v2(107.82,34.84) v2(107.85,34.18) v2(107.85,33.54) v2(107.85,32.83) v2(108.51,34.84) v2(108.53,34.18) v2(108.53,33.54) v2(108.53,32.83) v2(109.22,34.89) v2(109.24,34.23) v2(109.24,33.59) v2(109.24,32.88)
/Power/Power_SW/PSS_XRP_LX2: length 9.3
  Top w0.254: U35.31 119.58,33.86 C148.2 119.83,39.32 118.26,40.88
  vias: v2(113.05,44.52) v2(113.08,43.86) v2(113.08,43.22) v2(113.08,42.51) v2(113.76,44.49) v2(113.79,43.83) v2(113.79,43.2) v2(113.79,42.48) v2(114.45,44.49) v2(114.47,43.83) v2(114.47,43.2) v2(114.47,42.48) v2(115.16,44.54) v2(115.19,43.88) v2(115.19,43.25) v2(115.19,42.54)
/Power/Power_SW/PSS_XRP_LX3: length 6.7
  Top w0.254: 125.19,37.33 124.56,37.33 122.29,35.05 C149.2 122.08,33.93 U35.26
  vias: v2(126.21,42.54) v2(126.21,41.85) v2(126.26,41.14) v2(126.26,40.43) v2(126.92,42.54) v2(126.92,41.85) v2(126.97,41.14) v2(126.97,40.43) v2(127.56,42.54) v2(127.56,41.85) v2(127.61,41.14) v2(127.61,40.43) v2(128.22,42.56) v2(128.22,41.88) v2(128.27,41.16) v2(128.27,40.45)